# KiCad board ulx4m_panel.kicad_pcb (continued)
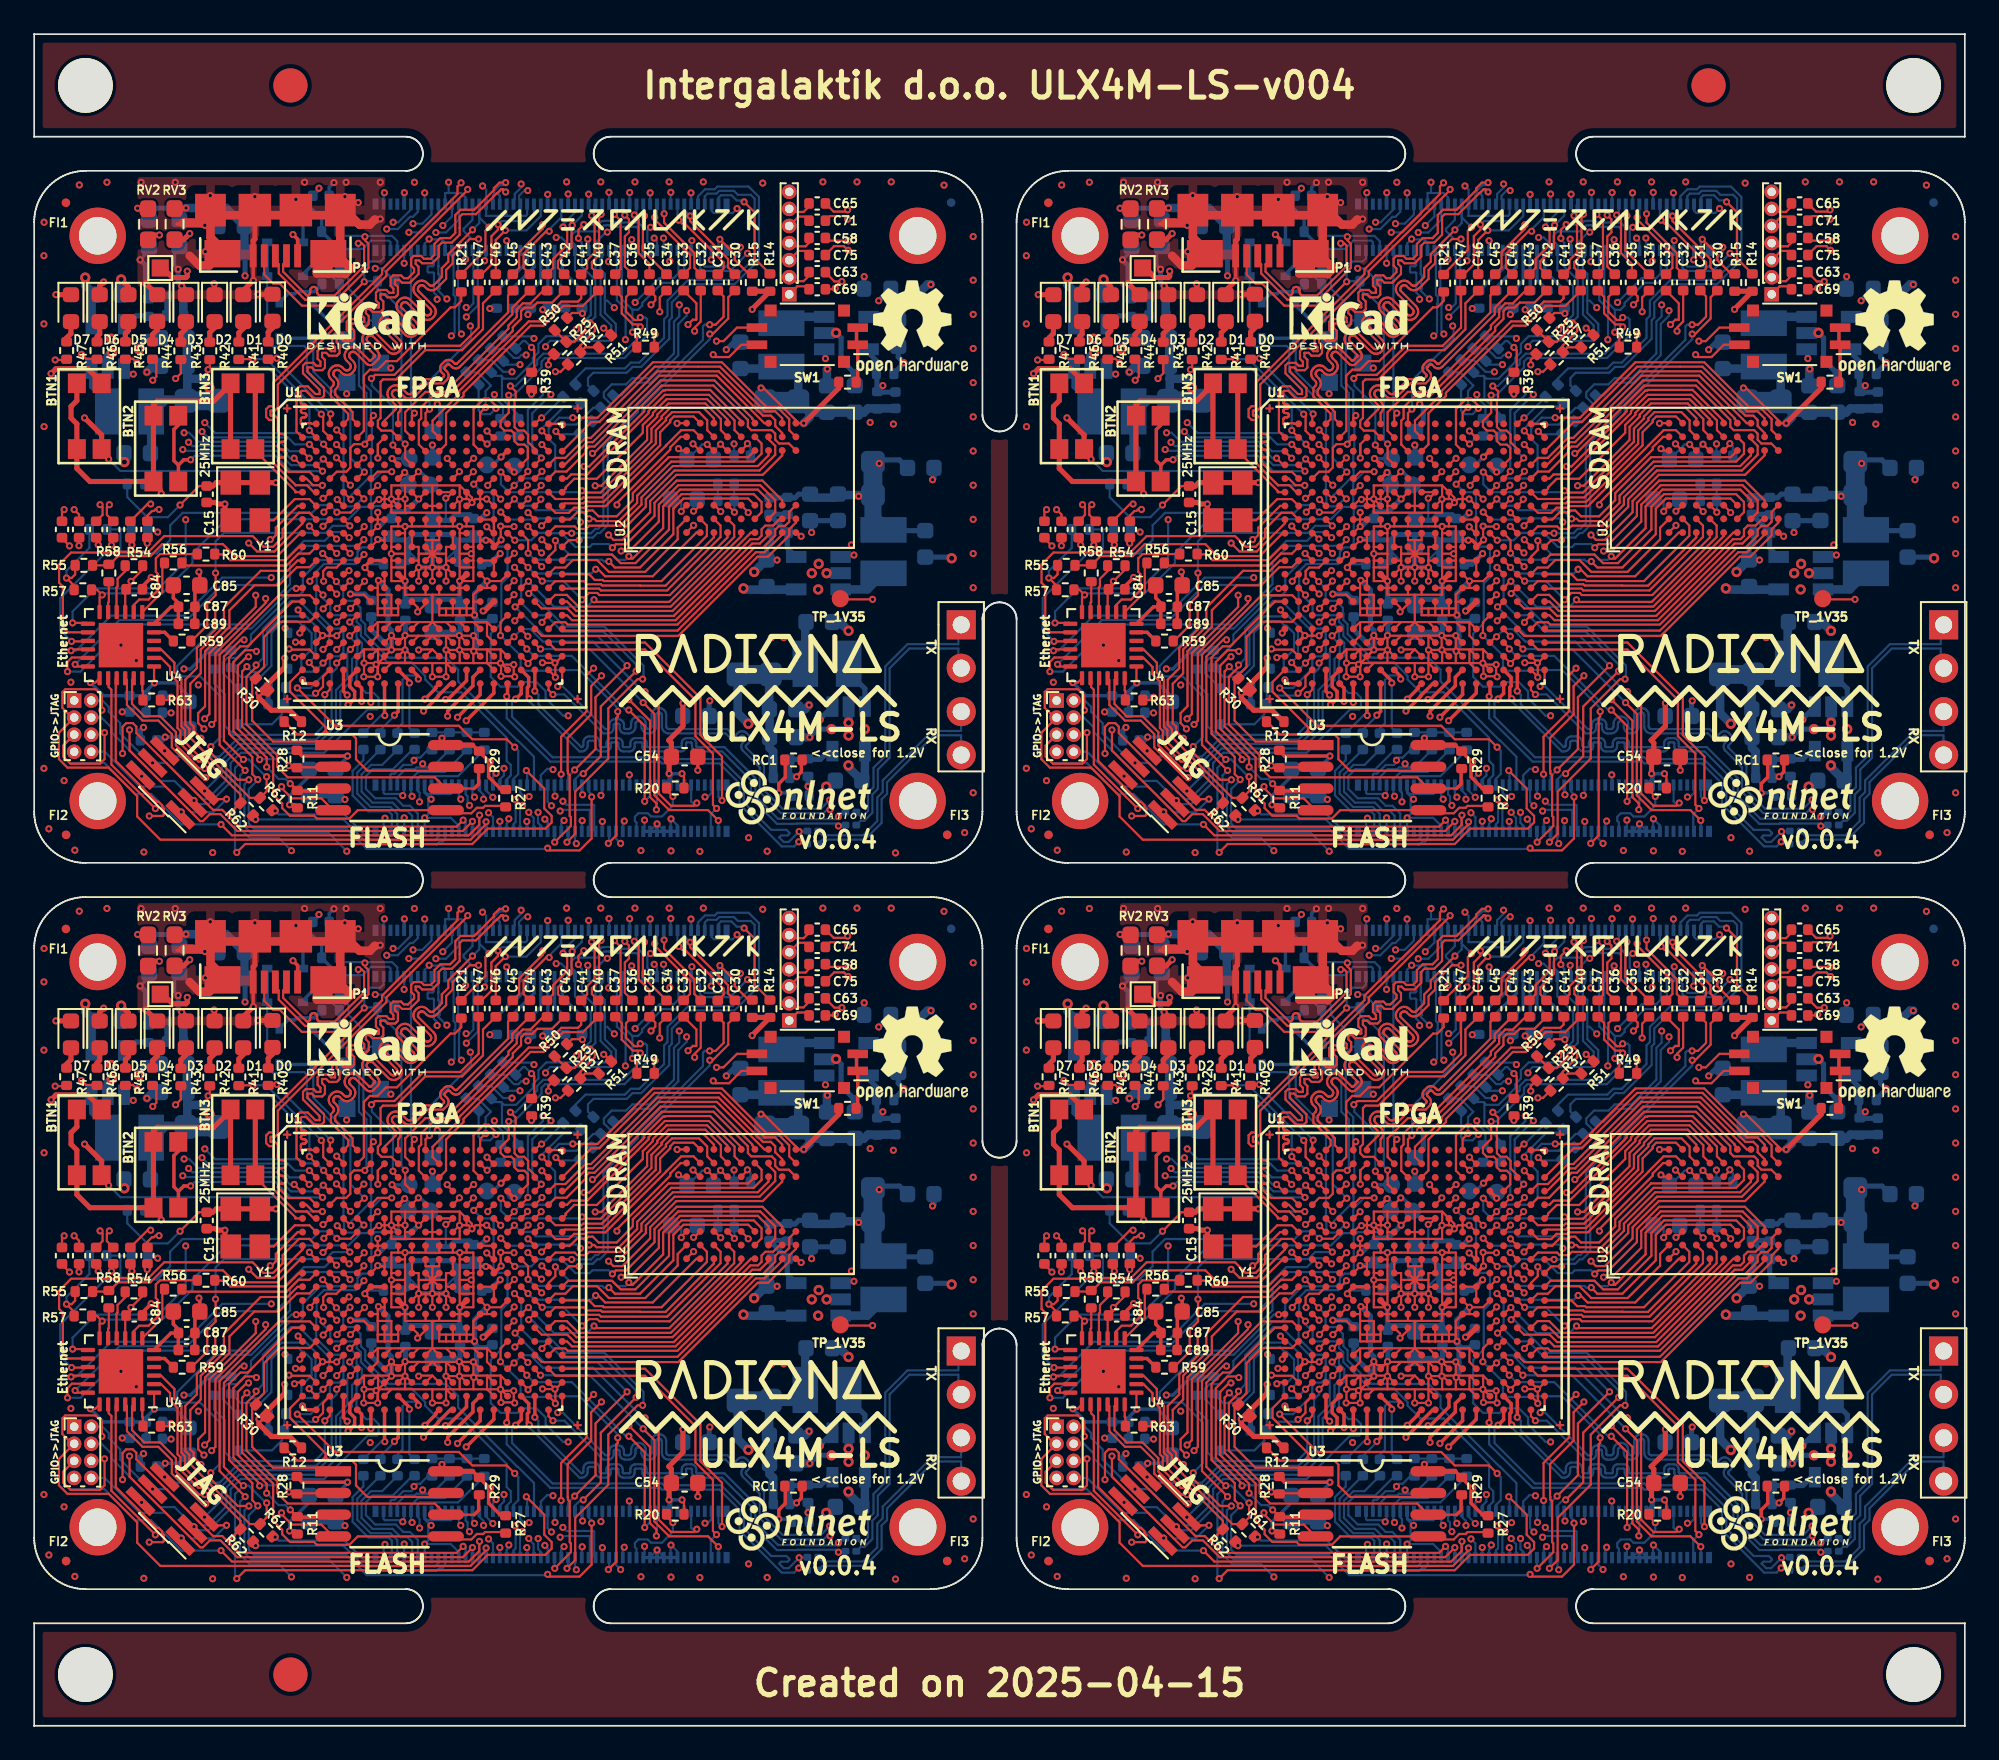
[diagram p0: board, top side]
## Routing (per net, layer and track width the routed paths; a pad name or vN(x,y) marks a point on that pad's centre or on a via; arc(x,y) is an arc through that point) (continued)
Board_2-+1V1: length 133.8
  Top w0.127: 21.71,27.3 21.71,26.1 ; 21.71,27.3 U1#3.J8 ; 21.71,27.3 v1(21.71,27.7) ; 23.31,23.7 23.31,22.1 ; 23.31,23.7 22.91,23.7 ; 23.31,23.7 24.91,23.7 24.91,24.1 ; 23.31,22.1 U1#3.T10 ; 23.31,22.1 U1#3.T11 ; 23.31,22.1 22.51,22.1 ; 23.31,22.1 24.91,22.1 ; 22.91,23.7 U1#3.N10 ; 22.91,23.7 21.71,23.7 21.71,24.1 ; v1(24.91,24.5) 24.91,24.1 ; v1(24.91,24.5) 24.91,25.3 ; v1(24.91,24.5) 25.71,24.5 25.71,25.3 ; 24.91,24.1 U1#3.N13 ; 24.91,24.1 U1#3.N12 ; U1#3.U6 20.11,21.3 20.11,22.1 ; 24.91,25.3 25.71,25.3 ; 24.91,25.3 24.91,26.1 ; U1#3.T15 26.51,22.1 ; 26.51,22.1 25.71,22.1 ; 26.51,22.1 26.51,21.3 U1#3.U15 ; U1#3.T8 21.71,22.1 ; 21.71,22.1 22.51,22.1 ; 21.71,22.1 20.91,22.1 ; U1#3.N9 21.71,24.1 ; 21.71,24.1 U1#3.N8 ; 21.71,24.1 v1(21.71,24.5) ; 21.71,25.3 21.71,26.1 ; 21.71,25.3 20.91,25.3 ; 21.71,25.3 v1(21.71,24.5) ; 21.71,26.1 v1(20.91,26.1) ; 21.31,27.7 20.91,27.7 20.91,26.5 ; 21.31,27.7 U1#3.H8 ; 21.31,27.7 v1(21.71,27.7) ; U1#3.N11 23.71,23.7 ; 25.71,25.3 25.71,25.7 ; U1#3.K8 20.91,26.5 ; 20.91,26.5 v1(20.91,26.1) ; v1(24.91,27.7) 25.31,27.7 ; v1(24.91,27.7) 24.51,27.7 ; v1(24.91,27.7) 24.91,27.3 ; 25.31,27.7 U1#3.H13 ; 25.31,27.7 25.71,27.7 25.71,26.5 ; 24.91,26.1 v1(25.58,26.1) ; 24.91,26.1 24.91,27.3 ; v1(25.58,26.1) 25.71,25.97 25.71,25.7 ; v1(25.58,26.1) 25.71,26.22 25.71,26.5 ; U1#3.T14 25.71,22.1 ; 25.71,22.1 24.91,22.1 ; 20.91,25.3 20.91,25.7 ; 20.91,25.3 20.91,24.5 v1(21.71,24.5) ; 24.91,22.1 U1#3.T13 ; 20.91,25.7 U1#3.L8 ; 20.91,25.7 v1(20.91,26.1) ; 25.71,26.5 U1#3.K13 ; 24.51,27.7 U1#3.H12 ; 24.51,27.7 23.71,27.7 ; v1(21.71,27.7) 22.11,27.7 ; U1#3.H10 22.91,27.7 ; 22.91,27.7 23.71,27.7 ; 22.91,27.7 22.11,27.7 ; U1#3.T12 24.11,22.1 ; 22.11,27.7 U1#3.H9 ; 23.71,27.7 U1#3.H11 ; U1#3.T6 20.11,22.1 ; 20.11,22.1 20.91,22.1 ; U1#3.J13 24.91,27.3 ; U1#3.T9 22.51,22.1 ; U1#3.T7 20.91,22.1 ; 25.71,25.7 U1#3.L13
  Top w0.3: U1#3.M8 v1(21.71,24.5) ; U1#3.M13 v1(24.91,24.5) ; v1(8.96,42.63) 8.96,42.34 8.88,42.26 8.1,42.26 7.59,42.77
  In2signal.Cu w0.3: v1(9.61,18.42) 11.78,16.24 19.34,16.24 v1(19.67,16.58)
  POWER.Cu w0.3: v1(9.61,18.42) 10.13,18.94 10.13,26.24 10.67,26.78 10.67,29.38 11.14,29.85 11.14,32.4 10.75,32.79 9.53,32.79 9.3,33.02 9.3,33.75 10.15,34.6 10.15,35.07 9.69,35.53 9.69,38.42 9.38,38.73 9.38,42.22 v1(8.96,42.63) ; 24.92,24.49 24.9,24.49 ; v1(21.71,24.5) 23,23.21 23,20.23 22.74,19.98 22.7,19.98 21.47,18.75 21.47,18.38 v1(19.67,16.58) 20.41,15.84 27.82,15.84 28.73,16.75
  POWER.Cu w0.5: v2(41.81,16.15) 41.5,15.84 29.64,15.84 28.73,16.75
  Bottom w0.127: 23.31,23.23 23.33,23.21 ; 21.71,23.48 21.73,23.46 ; 24.91,23.48 24.93,23.46
  Bottom w0.3: 21.73,23.43 23.23,23.43 23.33,23.53 23.43,23.43 24.93,23.43 ; v1(21.71,24.5) 21.71,23.48 ; v1(24.91,24.5) 24.91,23.48
  Bottom w0.5: RP1.2 41.18,16.77 v2(41.81,16.15)
Board_2-+1V35: length 31.8
  Top w0.127: v1(49.08,23.43) 47.23,23.43 TP_1V35#2.1
  POWER.Cu w0.3: v1(49.47,31.38) 49.35,31.5 49.35,32.89 48.73,32.89 48.67,32.96 48.67,29.87 v3(48.27,29.46) 47.88,29.08 48.38,28.58 48.38,27.66 47.95,27.23 47.85,27.34 46.23,27.34 46.86,26.71 46.86,25.65 v1(49.08,23.43)
  Bottom w0.3: C77.1 44.08,29.36 44.09,29.37 44.54,29.37 44.75,29.58 C95.1 ; 49.49,31.2 49.1,31.59 ; 51.13,31.12 50.65,31.59 49.68,31.59 v1(49.47,31.38) 49.19,31.38 RP4#4.2 ; C97#2.1 49.31,27.45
  Bottom w0.5: C95.1 45.62,29.38 46.84,29.38 C96.1 47.12,29.53 RP4#4.1
  Bottom w1: RP4#4.1 49.1,28.11 L4#3.2
Board_2-+2V5: length 118.6
  Top w0.127: 23.31,20.5 22.54,20.5 v1(22.51,20.47) ; 23.31,20.5 U1#3.V10 ; 23.31,20.5 U1#3.V11 ; U1#3.F15 27.31,29.3 v1(27.31,29.29) ; U1#3.V17 28.91,19.69 v1(28.91,19.67) 28.91,19.7 U1#3.V18 ; U1#3.P6 19.3,23.71 18.54,23.71 v1(18.51,23.74) ; U1#3.F6 20.1,30.09 v1(20.11,30.09)
  Top w0.3: RV2#3.1 6.95,44.75 v1(7.33,44.75) ; U1#3.P15 26.36,22.75 v1(26.28,22.75)
  POWER.Cu w0.127: 26.09,28.89 26.08,28.89 ; 26.09,28.89 26.08,28.91 26.08,29.71 ; 26.09,28.89 26.09,28.9 26.91,28.9 v1(27.31,29.29) ; 29.33,21.69 29.33,20.82 29.24,20.73 29.24,20.16 U1#3.V18
  POWER.Cu w0.2: 29.31,21.71 28.4,21.71 28.37,21.67 27.65,21.67 26.58,22.75 v1(26.28,22.75) ; 15.9,26.39 16.05,26.55 18.75,26.55 18.81,26.49 20.33,26.49 20.42,26.39 ; v1(28.91,19.67) 29.31,20.06 U1#3.V18
  POWER.Cu w0.3: 10.92,33.77 11.34,33.77 15.06,30.05 15.06,27.23 15.9,26.39 ; v2(10.26,35.8) 10.63,35.43 11.7,35.43 ; v1(18.51,23.74) 19.31,22.94 19.31,20.5 20.07,20.5 20.61,19.96 22,19.96 v1(22.51,20.47) ; v1(7.33,44.75) 7.77,44.75 9.95,42.57 ; 9.98,42.6 10.66,42.6 ; 20.42,26.39 21.02,26.99 21.02,28.64 22.76,28.64 23.3,29.18 23.3,30.1 ; 23.33,31.08 23.33,32.43 v3(23.31,32.45) ; v1(26.28,22.75) 25.99,23.04 25.99,24.54 25.58,24.95 25.58,25.39 25.08,25.89 25.08,26.5 25.23,26.65 25.86,26.65 25.86,28.62 26.09,28.85 26.09,28.89
  POWER.Cu w0.4: v1(20.11,30.09) 20.12,30.1 24.85,30.1 25.32,29.63 26,29.63 ; 19.31,20.5 17.29,18.47 16.23,18.47 15.94,18.18 15.94,17.99 15.14,17.2 14.84,17.2
  POWER.Cu w0.5: 10.66,42.6 10.63,42.57 9.95,42.57 ; 9.95,42.57 9.98,42.6 ; 9.95,42.57 9.95,39.18 11.21,37.92 ; 23.33,31.08 23.33,30.15
  POWER.Cu w0.8: 13.58,22.59 12.93,22.59 12.83,22.69
  POWER.Cu w1: 10.92,33.77 10.92,35.9 ; 13.58,22.59 13.85,22.31 13.85,19.5 14.06,19.3 14.06,18.12 14.91,17.27 ; 12.83,22.69 11.99,22.69 11.52,23.16 11.52,25.3 11.07,25.75 11.72,26.4 11.72,28.32 12,28.6 12,35.13 11.82,35.31
  POWER.Cu w1.5: 11.82,35.31 11.7,35.43 11.7,37.43 11.21,37.92
  Bottom w0.3: C19#3.1 23.33,32.43 v3(23.31,32.45) ; C29.1 26.79,23.26 v1(26.28,22.75) ; C39#3.1 19.35,23.74 v1(18.51,23.74) ; v2(10.26,35.8) 10.26,35.59 RP2.2 ; L2#3.2 6.91,34.48
  Bottom w0.5: C10.1 8.73,41.09 8.73,39.56 8.94,39.35 C11#2.1 8.94,37.1 C12#2.1 8.97,37.07 8.97,36.34 ; C23#2.1 6.85,32.02 L2#3.2 7.02,34.42 7.71,35.11 8.97,35.11 8.97,36.34 ; 8.97,36.34 9.87,36.34 10.26,35.95 10.26,35.95
Board_2-+3.3VA: length 13.5
  Top w0.127: U4#3.19 3.58,18.56 v1(3.29,18.56) ; v1(7.04,18.54) 7.02,18.56 U4#3.1
  POWER.Cu w0.2: v1(3.29,18.56) 3.31,18.54 v1(7.04,18.54)
  Bottom w0.2: C90#3.1 6.56,18.06 v1(7.04,18.54) 8.26,18.54 9.04,17.76 FB1#4.2 ; C90#3.1 C86#2.1 4.06,17.79 v1(3.29,18.56) ; C90#3.1 6.56,16.81 C88#2.1
Board_2-+5V: length 192.7
  Top w0.2: 15.42,43.23 15.42,44.51 v1(15.15,44.78)
  Top w0.3: v3(42.03,40.4) 42.03,40.42 R14#2.1 R15#2.1
  POWER.Cu w0.3: v1(46.02,16.38) 46.02,12.97 45.79,12.74 45.79,11.33 46.04,11.09 ; 50.61,42.22 49.59,43.24 47.97,43.24 47.77,43.04 47.77,41.11 47.06,40.4 v3(42.03,40.4) 41.14,41.28 35.42,41.28 35.41,41.29 34.95,41.29 34.81,41.15 29.66,41.15 28.9,40.39 v3(28.9,40.09) ; v1(52.49,41.86) 53.02,41.33 53.02,32.24 52.04,31.27 51.34,31.27 ; v2(41.52,24.07) 44.1,24.07 45.91,22.26 51.34,22.26 ; v1(15.15,44.78) 15.11,44.82 11.28,44.82 9.28,46.82 6.11,46.82 6.1,46.81 5.83,46.81 5.57,46.55 5.57,45.7 5.75,45.52 5.75,43.83 4.41,42.49 3.84,42.49 3.61,42.26 v2(2.99,42.26) 5.53,39.72 5.53,36.88 v1(5.8,36.61)
  POWER.Cu w0.5: 51.34,31.27 51.23,31.16 51.23,29.11 51.07,28.95 51.07,23.11 51.34,22.84 ; 7.43,9.78 7.73,10.08 7.73,11.39 7.35,11.77 6.75,11.77 4.81,13.7 1.45,13.7 0.95,14.21 0.95,33.04 1.17,33.25 1.17,33.95 1.85,34.63 1.85,41.11 v2(2.99,42.26) ; 51.34,22.84 51.34,24.85 50.18,26.02 v1(47.99,26.02) ; 51.34,22.84 51.34,17.38 v2(47.67,13.71) 40.04,13.71 38.41,12.08 38.28,12.08 37.97,11.77 37.97,11.27 v1(37.28,10.58) 36.76,10.58 v1(36.46,10.29) 35.95,10.29 v1(35.73,10.51) ; 50.57,42.24 50.59,42.22 52.13,42.22 v1(52.49,41.86) 48.15,37.52 v1(46.32,37.52)
  Bottom w0.127: J1#2.85 37.26,10.56 v1(37.28,10.58) 37.66,10.2 J1#2.87 ; J1#2.81 36.46,10.28 v1(36.46,10.29) ; J1#2.79 36.06,9.88 v1(36.46,10.29) ; 35.66,10 35.73,10.07 v1(35.73,10.51) ; v1(36.46,10.29) 36.86,9.89 J1#2.83
  Bottom w0.2: R10.1 28.07,40.47 R13#2.1 ; J1#2.77 J1#2.87
  Bottom w0.3: v1(5.8,36.61) 5.59,36.61 U6#2.1 ; v1(46.32,37.52) 46.32,37.99 U7#3.1 ; v3(28.9,40.09) 29.07,40.26 R10.1 ; v1(47.99,26.02) 47.32,26.02 U8#2.1 ; U5#4.1 46.02,16.44 v1(46.02,16.38)
  Bottom w0.5: v2(47.67,13.71) 47.67,13.6 C5#4.1 48.63,13 U5#4.4 ; 44.61,24 41.58,24 v2(41.52,24.07) ; v1(52.49,41.86) 52.29,41.86 50.4,39.96 U7#3.4 ; U6#2.4 3.36,41.08 C1#4.1 2.99,41.81 v2(2.99,42.26)
Board_2-/blinkey/ALED0: length 1.3
  Top w0.3: 13.7,38.47 13.7,39.06 13.95,39.31 D0.2
Board_2-/blinkey/ALED1: length 1.3
  Top w0.3: D1.2 12.24,39.29 11.98,39.03 11.98,38.46
Board_2-/blinkey/ALED2: length 1.3
  Top w0.3: D2#2.2 10.56,39.33 10.28,39.05 10.28,38.45
Board_2-/blinkey/ALED3: length 1.4
  Top w0.3: 8.59,38.45 8.59,38.97 8.88,39.27 D3.2
Board_2-/blinkey/ALED4: length 1.3
  Top w0.3: D4.2 7.2,39.2 6.93,38.93 6.93,38.47
Board_2-/blinkey/ALED5: length 1.3
  Top w0.3: D5.2 5.52,39.16 5.34,38.99 5.34,38.47
Board_2-/blinkey/ALED6: length 1.3
  Top w0.3: 3.68,38.47 3.68,38.8 3.84,38.95 D6#2.2
Board_2-/blinkey/ALED7: length 1.3
  Top w0.3: 1.9,38.47 1.9,38.73 2.16,38.98 D7#3.2
Board_2-/ethernet/ETH_7: length 3.4
  Top w0.127: R56#2.1 7.5,25.43 7.5,23.86 U4#3.7
Board_2-/ethernet/ETH_8: length 6.6
  Top w0.127: R60#4.1 7.37,26.08 7.12,25.83 7.12,25.04 7.25,24.91 7.25,23.97 6.7,23.42 6.15,23.42 5.83,23.1 U4#3.8
Board_2-/ethernet/ETH_10: length 2.9
  Top w0.127: R54.1 5.33,25.08 4.88,24.63 4.88,24.19 4.82,24.13 4.82,22.69 U4#3.10
Board_2-/ethernet/ETH_11: length 1.8
  Top w0.127: U4#3.11 4.33,23.24 4.37,23.28 R58#2.2
Board_2-/ethernet/RBIAS: length 1.3
  Top w0.127: R63.1 6.37,18.05 6.33,18.09 U4#3.24
Board_2-/ethernet/XTAL: length 1.3
  Top w0.2: U4#3.5 7.64,21.5 R59#4.1
Board_2-/flash/FLASH_MISO: length 16.3
  Top w0.127: U1#3.V2 16.12,20.49 14.95,20.49 v1(14.92,20.52) ; 15.38,13.6 17.48,13.6 U3#4.2 ; v1(13.2,14.05) 13.1,14.14 13.1,14.26 11.67,15.7 11.67,19.76 12.35,20.45 12.94,20.45 v1(13.01,20.38)
  Top w0.2: v1(14.91,13.69) 15,13.6 15.38,13.6
  In2signal.Cu w0.127: v1(13.01,20.38) 13.15,20.52 v1(14.92,20.52)
  Bottom w0.127: v1(13.2,14.05) 13.23,14.08 14.52,14.08 v1(14.91,13.69)
Board_2-/flash/FLASH_MOSI: length 33.1
  Top w0.127: 27.6,11.31 27.57,11.34 26.4,11.34 26.29,11.23 25.91,11.23 25.59,10.91 24.28,10.91 U3#4.5 ; 24.23,10.96 U3#4.5 ; U3#4.5 18.94,11.09 18.45,10.6 16.55,10.6 16.38,10.76 14.97,10.76 14.52,11.21 14.52,11.47 13.99,12 13.99,14.18 12.17,15.99 12.17,19.21 v1(12.45,19.49) ; U1#3.W2 16.1,19.71 v1(16.1,19.73)
  Bottom w0.127: v1(12.45,19.49) 12.76,19.18 13.19,19.18 13.63,19.62 13.63,21.57 14.49,22.43 15.92,22.43 16.47,21.88 16.47,20.1 v1(16.1,19.73)
Board_2-/flash/FLASH_nCS: length 14.1
  Top w0.127: U3#4.1 17.29,15.1 13.98,15.1 12.76,16.33 12.76,18.78 13.46,19.48 13.46,21.23 14.35,22.12 16.13,22.12 U1#3.R2
Board_2-/flash/FLASH_nHOLD: length 16.3
  Top w0.127: 17.06,15.73 17.27,15.52 18.61,15.52 18.84,15.29 18.84,14.07 19.51,13.4 23.88,13.4 U3#4.7 ; 17.06,15.73 17.06,15.95 14.98,18.02 14.98,18.59 15.69,19.3 U1#3.W1 ; 17.06,15.73 16.85,15.52 15.4,15.52 14.66,16.27
Board_2-/flash/FLASH_nWP: length 16.9
  Top w0.127: v1(13.61,13.62) 13.61,14.17 11.92,15.86 11.92,19.55 12.44,20.07 v1(12.55,20.07) ; 15.12,12.21 15.15,12.24 R11.2 15.01,12.64 v1(14.99,12.64)
  Top w0.19: 16.51,18.48 U1#3.Y2 15.93,18.5 v1(15.71,18.72)
  Top w0.2: U3#4.3 17.36,12.21 15.41,12.21
  In2signal.Cu w0.127: v1(15.71,18.72) 14.93,19.5 13.67,19.5 13.18,19.98 12.63,19.98 v1(12.55,20.07)
  Bottom w0.127: v1(14.99,12.64) 14.71,12.92 14.31,12.92 v1(13.61,13.62)
Board_2-/flash/FLASH_SCK: length 29.8
  Top w0.127: v1(16.91,20.5) U1#3.U3 ; 25.76,12.36 U3#4.6 23.45,13.01 14.84,13.01 14.23,13.62 14.23,14.31 12.43,16.11 12.43,18.9 12.99,19.46 v1(12.99,19.58)
  Top w0.2: 25.76,12.36 26.02,12.62 26.02,13.51 26.06,13.55
  Bottom w0.127: v1(12.99,19.58) 13.39,19.98 13.39,21.71 15.02,23.34 15.5,23.34 17.26,21.58 17.26,20.85 v1(16.91,20.5) 16.91,20.61
Board_2-/flash/FPGA_DONE: length 12.4
  Top w0.127: v1(17.02,17.85) 17.31,18.14 U1#3.Y3
  Bottom w0.127: 10.53,19.34 10.53,18.52 11.17,17.88 11.17,16.01 11.68,15.5 16.42,15.5 17.02,16.09 v1(17.02,17.85)
Board_2-/flash/FPGA_INITN: length 12.1
  Top w0.127: U1#3.V3 v1(16.91,19.7)
  Bottom w0.127: 11.53,19.46 12.09,18.89 13.25,18.89 13.89,19.53 13.89,21.48 14.56,22.15 15.43,22.15 15.69,21.89 15.8,21.89 16.24,21.44 16.24,20.5 15.64,19.9 15.64,19.45 15.9,19.19 16.4,19.19 v1(16.91,19.7)
Board_2-/flash/FPGA_PROGRAMN: length 9.4
  Top w0.127: U1#3.W3 16.91,18.9 16.91,18.32 16.52,17.93 v1(16.48,17.93)
  Bottom w0.127: v1(16.48,17.93) 16.34,17.8 15.2,17.8 R31#4.2 ; D28.2 13.92,16.12 14.5,16.7 14.5,17.14 C99#2.1 14.65,18.21 R31#4.2 ; R31#4.2 14.72,19.2 D15.2
Board_2-/gpio/CAM0_D0_LP: length 11.8
  Top w0.127: R21#2.2 25,40.89 24.63,40.52 24.38,40.52 21.23,37.37 20.6,37.37 20.1,36.87 19.65,36.87 19.3,36.52 19.3,33.29 U1#3.B5
Board_2-/power/FB1: length 5.6
  Top w0.2: 44.93,14.03 44.91,14.01 44.91,13.33 v1(44.63,13.05)
  Bottom w0.2: C2#2.2 44.3,13.05 v1(44.63,13.05)
  Bottom w0.3: C2#2.2 44.22,12.99 44.22,14.03 44.25,14.06 46.03,14.06 46.52,14.55 U5#4.5 46.53,14.75
  Bottom w0.5: 44.26,13.01 C2#2.2
Board_2-/power/FB2: length 3.8
  Bottom w0.3: U6#2.5 5.48,39.53 5.96,40.02 7.74,40.02 7.77,40.05 7.77,41.09 C10.2
Board_2-/power/FB3: length 4.1
  Bottom w0.3: C6.2 50.41,35.55 49.36,35.55 49.33,35.58 49.33,37.36 48.85,37.85 U7#3.5 48.65,37.86
  vias: v3(49.68,35.94)
Board_2-/power/FB4: length 4.2
  Bottom w0.3: 44.1,28.4 C77.2 44.08,27.36 44.08,26.43 U8#2.5
Board_2-/power/L1: length 2.9
  Bottom w0.3: U5#4.3 48.63,18.2 48.2,18.62 48.2,19.23 47.77,19.66
Board_2-/power/L2: length 2.9
  Bottom w0.3: U6#2.3 3.36,35.88 3.79,35.45 3.79,34.85 4.22,34.42
Board_2-/power/L3: length 2.7
  Bottom w0.5: L3.1 44.11,39.96 U7#3.3
Board_2-/power/L4: length 2.9
  Bottom w0.5: U8#2.3 48.78,24.01 L4#3.1
Board_2-/serdes/1N: length 15.8
  Bottom w0.127: C91#3.1 48.38,10.72 48.5,10.72 48.81,11.04 48.81,12.11 49.13,12.43 49.13,13.57 49.82,14.26 49.82,19.5 51.13,20.8 54.1,20.8 54.1,21.77 J4#3.1
Board_2-/serdes/1P: length 15.8
  Bottom w0.127: J4#3.2 54.1,19.57 54.1,20.55 51.23,20.55 50.08,19.39 50.08,14.15 49.39,13.46 49.39,12.32 49.07,12 49.07,10.93 48.6,10.47 48.38,10.47 C92#2.1
Board_2-/serdes/2N: length 13.3
  Bottom w0.127: C93#4.1 46.15,9.62 48.52,9.62 49.35,10.45 49.35,11.83 49.67,12.15 49.67,12.83 52.57,15.72 54.26,15.72 54.26,16.85 J4#3.3
Board_2-/serdes/2P: length 13.4
  Bottom w0.127: C94#2.1 46.15,9.36 48.63,9.36 49.61,10.34 49.61,11.72 49.93,12.04 49.93,12.72 52.67,15.47 54.26,15.47 54.26,14.33 J4#3.4
Board_2-/serdes/CLK_0_N: length 30.1
  Top w0.127: v1(2.07,26.56) 1.63,26.99 C66.1
  Top w0.2: U1#3.Y12 24.37,18.5 23.65,17.78 23.65,17.74 v1(22.79,16.89)
  In2signal.Cu w0.127: v1(22.79,16.89) 21.51,15.61 11.52,15.61 10.11,17.02 9.55,17.02 2.36,24.21 2.36,26.26 v1(2.07,26.56)
Board_2-/serdes/CLK_0_P: length 30.1
  Top w0.127: C59#2.2 2.63,26.57 v1(2.62,26.57)
  Top w0.2: U1#3.Y11 23.51,18.3 23.51,18.22 v1(22.87,17.59)
  In2signal.Cu w0.127: v1(2.62,26.57) 2.62,24.3 9.68,17.25 10.21,17.25 11.59,15.86 21.13,15.86 22.03,16.76 22.03,16.97 21.55,17.45 21.55,17.67 21.76,17.67 22.24,17.19 22.45,17.19 22.85,17.59 v1(22.87,17.59)
Board_2-/serdes/CLK_1_N: length 69.4
  Top w0.127: C69#4.1 46.84,41.58 v1(46.89,41.63) ; v1(30.65,18.33) 30.91,18.59 U1#3.W20
  In2signal.Cu w0.127: v1(46.89,41.63) 47.08,41.63 47.36,41.34 47.39,41.31 47.41,41.27 47.42,41.22 47.42,41.18 47.41,41.13 47.39,41.09 47.36,41.06 47.17,40.87 47.15,40.83 47.13,40.79 47.12,40.75 47.12,40.7 47.13,40.66 47.15,40.62 47.17,40.58 47.21,40.56 47.25,40.54 47.29,40.53 47.34,40.53 47.38,40.54 47.42,40.56 47.46,40.58 47.65,40.78 47.68,40.8 47.72,40.82 47.77,40.83 47.81,40.83 47.86,40.82 47.9,40.8 47.93,40.78 47.96,40.74 47.98,40.7 47.99,40.66 47.99,40.61 47.98,40.57 47.96,40.53 47.93,40.49 47.74,40.3 47.71,40.27 47.69,40.23 47.68,40.18 47.68,40.14 47.69,40.09 47.71,40.05 47.74,40.02 47.77,39.99 47.82,39.97 47.86,39.96 47.9,39.96 47.95,39.97 47.99,39.99 48.02,40.02 48.21,40.21 48.25,40.24 48.29,40.26 48.33,40.27 48.38,40.27 48.42,40.26 48.46,40.24 48.5,40.21 48.83,39.88 49.71,39.88 50.07,39.52 50.09,39.49 50.1,39.46 50.11,39.43 50.11,39.4 50.1,39.36 50.09,39.33 50.07,39.31 49.96,39.2 49.91,39.13 49.87,39.06 49.85,38.98 49.85,38.89 49.87,38.81 49.91,38.73 49.96,38.66 50.03,38.6 50.1,38.54 50.17,38.51 50.26,38.49 50.34,38.49 50.42,38.51 50.5,38.54 50.57,38.6 51.15,39.18 51.18,39.2 51.21,39.22 51.24,39.22 51.27,39.22 51.31,39.22 51.34,39.2 51.36,39.18 51.4,39.15 51.42,39.12 51.43,39.09 51.44,39.06 51.44,39.03 51.43,38.99 51.42,38.96 51.4,38.94 50.81,38.35 50.76,38.29 50.72,38.21 50.7,38.13 50.7,38.04 50.72,37.96 50.76,37.88 50.81,37.82 50.88,37.75 50.95,37.69 51.02,37.66 51.11,37.64 51.19,37.64 51.27,37.66 51.35,37.69 51.42,37.75 52,38.33 52.03,38.35 52.06,38.37 52.09,38.38 52.12,38.38 52.15,38.37 52.18,38.35 52.21,38.33 52.25,38.3 52.27,38.27 52.28,38.24 52.29,38.21 52.29,38.18 52.28,38.14 52.27,38.11 52.25,38.09 51.66,37.5 51.61,37.44 51.57,37.36 51.55,37.28 51.55,37.19 51.57,37.11 51.61,37.03 51.66,36.97 51.73,36.9 51.8,36.85 51.87,36.81 51.95,36.79 52.04,36.79 52.12,36.81 52.2,36.85 52.26,36.9 52.37,37.01 52.4,37.03 52.43,37.04 52.46,37.05 52.49,37.05 52.52,37.04 52.55,37.03 52.58,37.01 53.09,36.49 53.09,28.25 52.13,27.29 52.13,25.31 49.27,22.45 49.27,14.46 47.66,12.85 47.66,12.78 v1(46.57,11.69)
  Bottom w0.127: v1(46.57,11.69) 46.06,11.17 43.81,11.17 42.73,12.26 42.73,13.69 41.69,14.72 41.68,14.74 41.66,14.77 41.66,14.8 41.66,14.82 41.66,14.85 41.68,14.88 41.69,14.9 41.8,15 41.85,15.06 41.88,15.14 41.9,15.21 41.9,15.29 41.88,15.37 41.85,15.44 41.8,15.5 41.7,15.61 41.63,15.66 41.56,15.69 41.49,15.71 41.41,15.71 41.33,15.69 41.26,15.66 41.19,15.61 41.09,15.5 41.07,15.48 41.04,15.47 41.02,15.47 40.99,15.47 40.96,15.47 40.94,15.48 40.92,15.5 40.58,15.83 37.17,15.83 37.13,15.84 37.1,15.85 37.07,15.87 37.04,15.9 37.02,15.93 37,15.97 37,16.01 37,16.66 36.99,16.75 36.96,16.83 36.91,16.91 36.85,16.97 36.77,17.02 36.69,17.05 36.6,17.06 36.55,17.06 36.46,17.05 36.37,17.02 36.3,16.97 36.23,16.91 36.19,16.83 36.16,16.75 36.15,16.66 36.15,16.01 36.14,15.97 36.13,15.93 36.11,15.9 36.08,15.87 36.05,15.85 36.01,15.84 35.97,15.83 35.93,15.84 35.9,15.85 35.87,15.87 35.84,15.9 35.82,15.93 35.8,15.97 35.8,16.01 35.8,16.16 35.79,16.25 35.76,16.33 35.71,16.41 35.65,16.47 35.57,16.52 35.49,16.55 35.4,16.56 35.35,16.56 35.26,16.55 35.17,16.52 35.1,16.47 35.03,16.41 34.99,16.33 34.96,16.25 34.95,16.16 34.95,16.01 34.94,15.97 34.93,15.93 34.91,15.9 34.88,15.87 34.85,15.85 34.81,15.84 34.77,15.83 34.62,15.83 34.6,15.84 34.58,15.84 34.56,15.85 34.55,15.87 34.53,15.89 34.53,15.91 34.53,15.93 34.53,16.08 34.52,16.15 34.49,16.22 34.45,16.29 34.4,16.34 34.34,16.38 34.27,16.4 34.19,16.41 34,16.41 33.93,16.4 33.86,16.38 33.8,16.34 33.74,16.29 33.7,16.22 33.68,16.15 33.67,16.08 33.67,15.93 33.67,15.91 33.66,15.89 33.65,15.87 33.63,15.85 33.62,15.84 33.59,15.84 33.57,15.83 33.44,15.83 30.95,18.33 v1(30.65,18.33)
Board_2-/serdes/CLK_1_P: length 69.4
  Top w0.127: C63#4.2 46.32,42.56 46.85,42.03 v1(47.28,42.03) ; U1#3.Y19 30.11,18.12 v1(30.37,17.86)
  In2signal.Cu w0.127: v1(46.59,11.12) 47.68,11.12 47.91,11.35 47.91,12.74 49.54,14.36 49.54,22.34 52.39,25.19 52.39,27.18 53.35,28.14 53.35,36.6 52.74,37.2 52.68,37.26 52.6,37.29 52.52,37.31 52.43,37.31 52.35,37.29 52.27,37.26 52.21,37.2 52.1,37.1 52.08,37.08 52.05,37.06 52.01,37.05 51.98,37.05 51.95,37.06 51.92,37.08 51.89,37.1 51.86,37.13 51.84,37.16 51.82,37.19 51.81,37.22 51.81,37.25 51.82,37.28 51.84,37.31 51.86,37.34 52.44,37.93 52.5,37.99 52.53,38.07 52.55,38.15 52.55,38.24 52.53,38.32 52.5,38.4 52.44,38.46 52.37,38.53 52.31,38.58 52.23,38.62 52.15,38.64 52.06,38.64 51.98,38.62 51.9,38.58 51.84,38.53 51.25,37.94 51.23,37.92 51.2,37.91 51.16,37.9 51.13,37.9 51.1,37.91 51.07,37.92 51.04,37.94 51.01,37.98 50.99,38.01 50.97,38.04 50.97,38.07 50.97,38.1 50.97,38.13 50.99,38.16 51.01,38.19 51.59,38.77 51.65,38.84 51.68,38.92 51.7,39 51.7,39.08 51.68,39.17 51.65,39.24 51.59,39.31 51.53,39.38 51.46,39.43 51.38,39.47 51.3,39.49 51.22,39.49 51.13,39.47 51.06,39.43 50.99,39.38 50.4,38.79 50.38,38.77 50.35,38.76 50.32,38.75 50.28,38.75 50.25,38.76 50.22,38.77 50.2,38.79 50.16,38.83 50.14,38.85 50.13,38.88 50.12,38.92 50.12,38.95 50.13,38.98 50.14,39.01 50.16,39.04 50.27,39.14 50.32,39.21 50.36,39.29 50.38,39.37 50.38,39.45 50.36,39.54 50.32,39.61 50.27,39.68 49.87,40.08 49.87,40.1 49.74,40.23 49.64,40.23 49.55,40.14 48.93,40.14 47.28,41.78 v1(47.28,42.03)
  Bottom w0.127: v1(46.59,11.12) 46.42,11.12 46.21,10.91 43.71,10.91 42.47,12.15 42.47,13.59 41.5,14.56 41.45,14.62 41.41,14.69 41.4,14.77 41.4,14.85 41.41,14.93 41.45,15 41.5,15.06 41.6,15.17 41.62,15.19 41.63,15.21 41.64,15.24 41.64,15.27 41.63,15.29 41.62,15.32 41.6,15.34 41.53,15.41 41.51,15.43 41.49,15.44 41.46,15.45 41.43,15.45 41.4,15.44 41.38,15.43 41.36,15.41 41.25,15.31 41.19,15.26 41.12,15.22 41.04,15.2 40.96,15.2 40.88,15.22 40.81,15.26 40.75,15.31 40.48,15.58 37.15,15.58 37.06,15.59 36.97,15.62 36.9,15.67 36.83,15.73 36.79,15.81 36.76,15.89 36.75,15.98 36.75,16.63 36.74,16.67 36.73,16.71 36.71,16.74 36.68,16.77 36.65,16.79 36.61,16.8 36.57,16.81 36.53,16.8 36.5,16.79 36.47,16.77 36.44,16.74 36.42,16.71 36.4,16.67 36.4,16.63 36.4,15.98 36.39,15.89 36.36,15.81 36.31,15.73 36.25,15.67 36.17,15.62 36.09,15.59 36,15.58 35.95,15.58 35.86,15.59 35.77,15.62 35.7,15.67 35.63,15.73 35.59,15.81 35.56,15.89 35.55,15.98 35.55,16.13 35.54,16.17 35.53,16.21 35.51,16.24 35.48,16.27 35.45,16.29 35.41,16.3 35.37,16.31 35.33,16.3 35.3,16.29 35.27,16.27 35.24,16.24 35.22,16.21 35.2,16.17 35.2,16.13 35.2,15.98 35.19,15.89 35.16,15.81 35.11,15.73 35.05,15.67 34.97,15.62 34.89,15.59 34.8,15.58 34.6,15.58 34.53,15.59 34.46,15.61 34.4,15.65 34.34,15.7 34.3,15.77 34.28,15.84 34.27,15.91 34.27,16.06 34.27,16.08 34.26,16.1 34.25,16.12 34.23,16.13 34.22,16.15 34.19,16.15 34.17,16.16 34.02,16.16 34,16.15 33.98,16.15 33.96,16.13 33.95,16.12 33.93,16.1 33.93,16.08 33.93,16.06 33.93,15.91 33.92,15.84 33.89,15.77 33.85,15.7 33.8,15.65 33.74,15.61 33.67,15.59 33.59,15.58 33.32,15.58 31.04,17.86 v1(30.37,17.86)
Board_2-/serdes/S_0_N: length 30.3
  Top w0.127: 3.82,26.9 3.68,27.04 C67#3.1 3.63,26.99 3.75,26.87 v1(3.75,26.62)
  Top w0.2: v1(19.71,17.39) 19.71,17.39 U1#3.Y6
  In2signal.Cu w0.127: v1(19.71,17.39) 18.91,16.59 12.13,16.59 6.58,22.14 6.58,22.53 6.75,22.7 6.75,22.87 6.75,22.88 6.57,22.88 5.75,22.05 5.35,22.05 5.21,22.2 5.21,22.59 6.03,23.41 6.03,23.59 6.03,23.59 5.85,23.59 5.85,23.58 5.29,23.02 4.89,23.02 4.7,23.2 4.7,23.55 4.87,23.72 4.87,23.86 4.27,24.46 4.27,24.76 4.54,25.04 5.27,25.04 5.39,25.16 5.27,25.29 3.99,25.29 3.79,25.49 3.79,25.86 3.99,26.05 4.22,26.05 4.27,26.1 v1(3.75,26.62)
Board_2-/serdes/S_0_P: length 29
  Top w0.127: v1(4.52,26.61) 4.52,26.85 4.48,26.89 C61#3.2
  Top w0.2: v1(19.17,17.46) 19.17,18.24 U1#3.Y5
  In2signal.Cu w0.127: v1(4.52,26.61) 4.52,25.99 4.32,25.8 4.09,25.8 4.04,25.75 4.04,25.59 4.09,25.54 5.37,25.54 5.65,25.27 5.65,25.06 5.37,24.78 4.65,24.78 4.52,24.65 4.52,24.57 5.12,23.97 5.12,23.61 4.95,23.45 4.95,23.31 4.99,23.27 5.17,23.27 5.74,23.85 6.13,23.85 6.28,23.7 6.28,23.31 5.46,22.49 5.46,22.31 5.64,22.31 6.46,23.13 6.85,23.13 7,22.98 7,22.59 6.84,22.43 6.84,22.25 12.24,16.85 18.78,16.85 19.17,17.23 v1(19.17,17.46)
Board_2-/serdes/S_1_N: length 3.3
  Top w0.2: U1#3.Y8 21.31,16.87 v1(21.09,16.65)
  Bottom w0.127: v1(21.09,16.65) 21.09,16.61 20.27,15.79 C68#2.1
Board_2-/serdes/S_1_P: length 3.6
  Top w0.2: U1#3.Y7 20.51,16.65 v1(20.53,16.63)
  Bottom w0.127: v1(20.53,16.63) 20.3,16.63 C62#4.2
Board_2-/serdes/S_2_N: length 33.1
  Top w0.127: C72#2.1 5.72,26.95 v1(5.72,26.62) ; C72#2.1 5.84,26.83 ; C72#2.1 5.63,26.79 5.6,26.76
  Top w0.2: U1#3.W5 18.48,18.86 18.48,18.32 18.76,18.03 18.76,17.62 18.4,17.26 v1(18.37,17.26)
  In2signal.Cu w0.127: v1(18.37,17.26) 18.29,17.18 14.82,17.18 14.59,17.41 14.41,17.41 14.41,17.4 14.23,17.4 14.23,17.58 14.23,17.59 14.23,17.77 14.05,17.77 13.8,17.52 13.62,17.52 13.62,17.7 13.87,17.94 13.87,18.12 13.18,18.82 11.6,18.82 9.7,20.71 9.54,20.71 9.37,20.55 9,20.55 8.84,20.72 8.84,21.09 9.74,22 9.74,22.18 9.56,22.18 8.66,21.27 8.28,21.27 8.12,21.43 8.12,21.81 9.2,22.89 9.2,23.07 9.02,23.07 7.94,21.99 7.56,21.99 7.4,22.15 7.4,22.53 8.94,24.07 8.94,24.25 8.76,24.25 7.66,23.15 7.27,23.15 6.07,24.35 6.07,26.27 v1(5.72,26.62)
Board_2-/serdes/S_2_P: length 30.3
  Top w0.127: v1(6.62,26.71) 6.63,26.72 C55.2 6.45,26.86
  Top w0.2: U1#3.W4 18.11,18.04 v1(18.32,17.82)
  In2signal.Cu w0.127: v1(18.32,17.82) 17.95,17.45 14.91,17.45 13.29,19.07 11.71,19.07 9.81,20.97 9.43,20.97 9.27,20.8 9.11,20.8 9.09,20.82 9.09,20.98 10,21.89 10,22.28 9.85,22.43 9.46,22.43 8.55,21.52 8.39,21.52 8.37,21.54 8.37,21.7 9.45,22.79 9.45,23.18 9.31,23.32 8.92,23.32 7.83,22.24 7.67,22.24 7.65,22.26 7.65,22.42 9.2,23.96 9.2,24.35 9.05,24.5 8.66,24.5 7.55,23.4 7.37,23.4 6.34,24.44 6.34,26.43 v1(6.62,26.71)
Board_2-/serdes/S_3_N: length 5
  Top w0.2: v1(22.49,18.76) 22.49,18.92 U1#3.W9
  Bottom w0.127: C73.1 21.27,15.88 21.56,16.17 21.56,18.71 21.82,18.97 22.28,18.97 v1(22.49,18.76)
Board_2-/serdes/S_3_P: length 4.5
  Top w0.2: U1#3.W8 21.96,18.64 v1(21.96,18.53)
  Bottom w0.127: 21.98,15.89 C56.2 21.96,15.9 v1(21.96,18.53)
Board_2-/serdes/S_4_N: length 2.9
  Top w0.2: U1#3.Y15 26.91,17.94 v1(25.29,16.32)
  Bottom w0.127: 25.3,16.32 v1(25.29,16.32)
Board_2-/serdes/S_4_P: length 2.5
  Top w0.2: v1(24.78,16.53) 26.11,17.86 U1#3.Y14
Board_2-/serdes/S_5_N: length 72
  Top w0.127: v1(47.62,45.67) 47.44,45.86 46.59,45.86 C71#4.1
  Top w0.2: U1#3.Y17 28.51,17.92 v1(28.18,17.59)
  In2signal.Cu w0.127: v1(44.78,9.84) 45.35,9.26 48.11,9.26 49.17,10.33 49.17,12.68 51.79,15.3 51.79,22.36 54.23,24.8 54.23,38.96 49.41,43.78 49.41,44.6 48.2,45.82 47.77,45.82 v1(47.62,45.67)